# Altium PCB PCB_v4.PcbDoc (part 3 of 7)
Units mm, origin at the board's own origin, x right, y up, seen from the top; angles counter-clockwise.
Board outline 171.45 x 152.4 mm, 6 copper layers (Top Layer, Int1 (GND), Int2 (Sign), Int3 (Sign), Int4 (PWR), Bottom Layer), stack 1.551 mm thick; 408 components, 505 nets, 2356 pads, 897 vias.
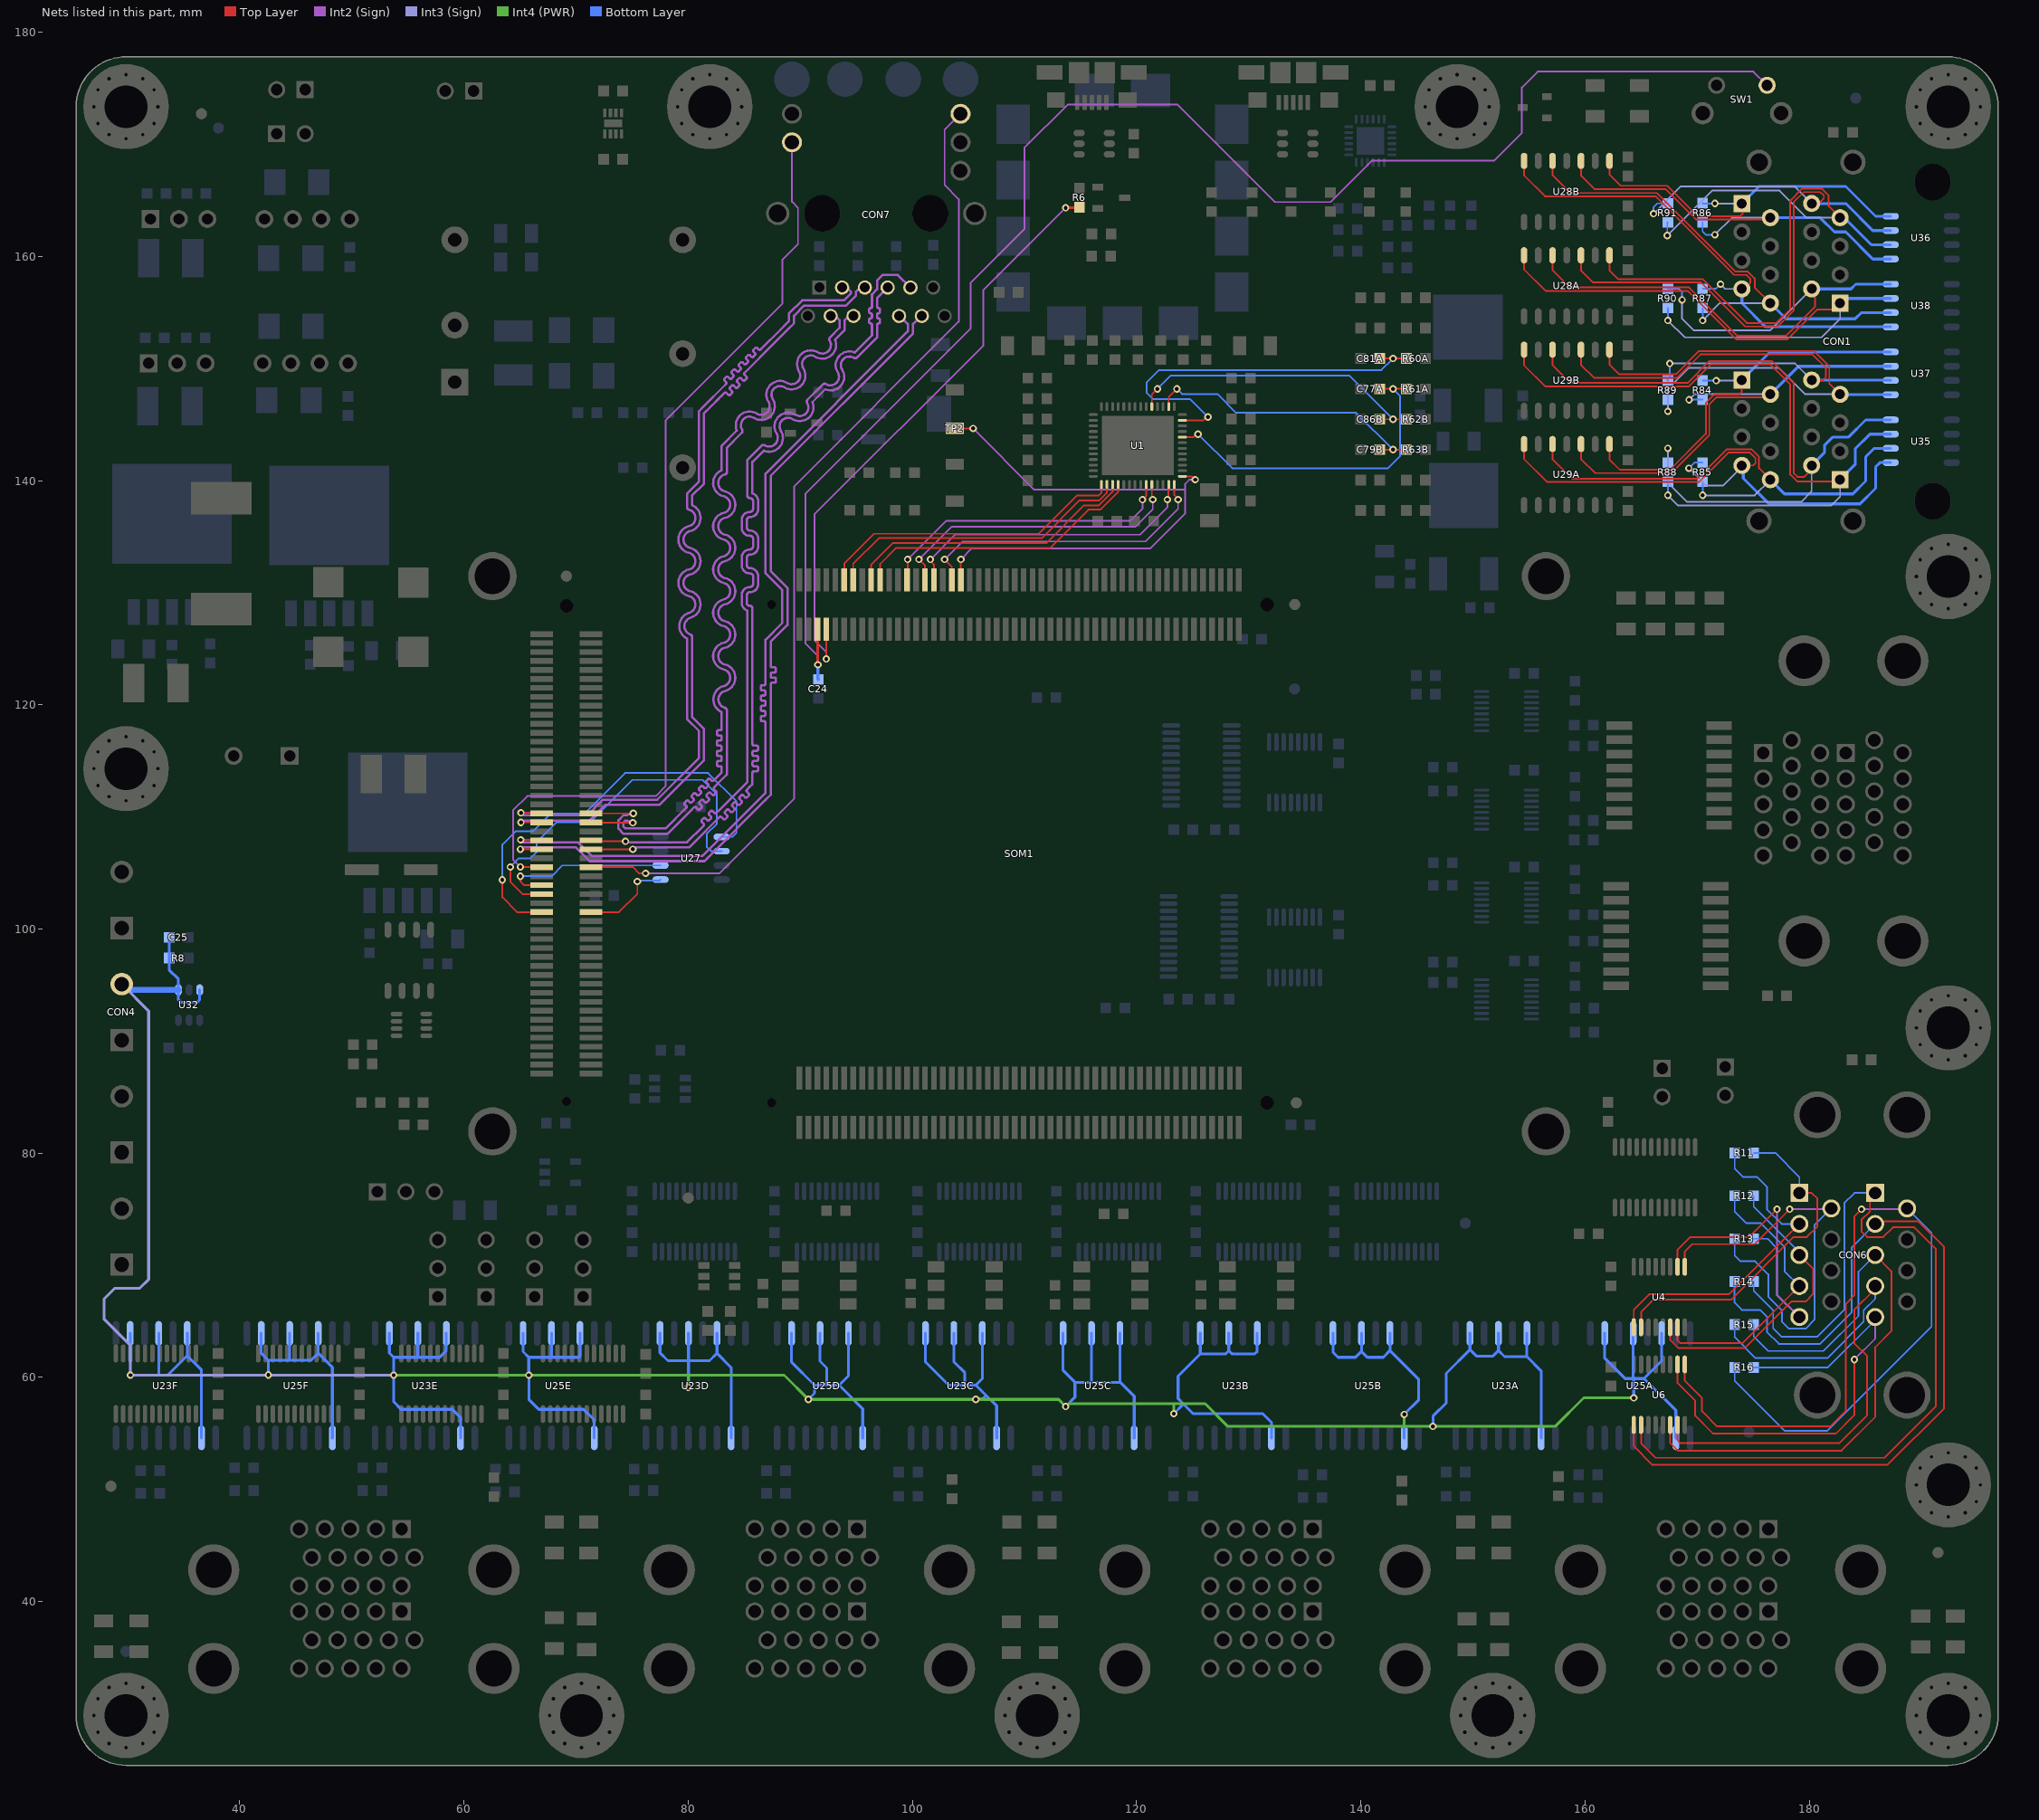
[diagram p7: the nets of this part, all layers, seen from the top]

## Via types
v1: diameter 0.66, hole 0.356, Top Layer to Bottom Layer, tented both sides, 808 vias
v2: diameter 1.016, hole 0.508, Top Layer to Bottom Layer, tented both sides, 72 vias
v3: diameter 0.66, hole 0.343, Top Layer to Bottom Layer, tented both sides, 7 vias
v4: diameter 1.524, hole 0.508, Top Layer to Bottom Layer, tented both sides, 7 vias
v5: diameter 1.524, hole 0.762, Top Layer to Bottom Layer, tented both sides, 2 vias
v6: diameter 2.032, hole 1.016, Top Layer to Bottom Layer, tented both sides, 1 vias

## Nets (pads, with @x,y where several pads share a name; then routed paths per layer and width w, separated by ;. In a path a pad name is that pad's centre, name@x,y a point inside that pad or via, vN(x,y) a via of type N, cw(c..) or ccw(c..) an arc to the next point about the centre after c; other vN are vias at no path point) (continued)
ADC_IN5: C86B.1 R62B.1 U1.5 | length 27.3
  Top Layer w0.152: U1.5@121.355,146.583 U1.5@121.355,146.604 121.355,147.683 v1(121.855,148.183) ; C86B.1@141.676,145.471 v1(142.867,145.471) R62B.1@144.057,145.471
  Bottom Layer w0.152: v1(121.855,148.183) 123.025,149.352 138.986,149.352 v1(142.867,145.471)
ADC_IN6: C79B.1 R63B.1 U1.2 | length 25.8
  Top Layer w0.152: U1.2@122.855,146.583 122.855,147.449 v1(123.589,148.183) ; C79B.1@141.676,142.76 v1(142.867,142.76) R63B.1@144.057,142.76
  Bottom Layer w0.152: v1(123.589,148.183) 124.052,147.72 127.207,147.72 128.876,146.05 139.576,146.05 v1(142.867,142.76)
ADC_IN7: C81A.1 R60A.1 U1.51 | length 35
  Top Layer w0.152: U1.51@124.055,145.379 U1.51@124.08,145.379 125.951,145.379 126.241,145.669 v1(126.365,145.669) ; C81A.1@141.676,150.894 v1(142.867,150.894) R60A.1@144.057,150.894
  Bottom Layer w0.152: v1(126.365,145.669) 124.757,147.277 121.441,147.277 120.881,147.837 120.881,148.734 122.007,149.86 141.833,149.86 v1(142.867,150.894)
ADC_IN8: C77A.1 R61A.1 U1.48 | length 29.9
  Top Layer w0.152: U1.48@124.055,143.879 125.086,143.879 125.352,144.145 v1(125.476,144.145) ; C77A.1@141.676,148.183 v1(142.867,148.183) R61A.1@144.057,148.183
  Bottom Layer w0.152: v1(125.476,144.145) 128.524,141.097 142.409,141.097 143.501,142.189 143.501,147.548 v1(142.867,148.183)
ADC_SCK: SOM1.JX1-37 TP2.1 U1.41 | length 51.3
  Top Layer w0.152: TP2.1@103.772,144.65 v1(105.41,144.65) ; SOM1.JX1-37@104.318,131.146 v1(104.318,132.969) ; U1.41@124.055,140.379 U1.41@124.08,140.379 124.924,140.379 v1(125.222,140.081)
  Int2 (Sign) w0.152: v1(104.318,132.969) 105.309,133.96 121.231,133.96 124.333,137.061 124.333,139.192 ; v1(105.41,144.65) 110.868,139.192 124.333,139.192 ; v1(125.222,140.081) 125.216,140.075 124.689,140.075 124.333,139.719 124.333,139.192
ADC_SDO1: SOM1.JX1-11 U1.27 | length 27.8
  Top Layer w0.152: SOM1.JX1-11@93.918,131.146 93.918,132.6 96.573,135.255 111.262,135.255 114.69,138.683 116.633,138.683 116.855,138.906 U1.27@116.855,139.675
ADC_SDO2: SOM1.JX1-13 U1.28 | length 27.4
  Top Layer w0.152: SOM1.JX1-13@94.718,131.146 94.718,132.579 97.013,134.874 111.549,134.874 114.911,138.236 116.665,138.236 117.355,138.927 U1.28@117.355,139.654 U1.28@117.355,139.675
ADC_SDO3: SOM1.JX1-17 U1.29 | length 26.3
  Top Layer w0.152: SOM1.JX1-17@96.318,131.146 96.318,132.513 98.234,134.429 111.95,134.429 115.31,137.789 116.649,137.789 117.855,138.996 U1.29@117.855,139.675
ADC_SDO4: SOM1.JX1-19 U1.30 | length 26
  Top Layer w0.152: SOM1.JX1-19@97.118,131.146 97.118,132.574 98.53,133.985 112.267,133.985 115.696,137.414 116.761,137.414 118.355,139.008 U1.30@118.355,139.654 U1.30@118.355,139.675
ADC_SDO5: SOM1.JX1-25 U1.35 | length 27
  Top Layer w0.152: SOM1.JX1-25@99.518,131.146 99.568,131.196 v1(99.568,132.969) ; v1(120.523,138.3) 120.855,138.632 U1.35@120.855,139.654 U1.35@120.855,139.675
  Int2 (Sign) w0.152: v1(99.568,132.969) 102.997,136.398 119.423,136.398 120.523,137.498 v1(120.523,138.3)
ADC_SDO6: SOM1.JX1-29 U1.36 | length 27
  Top Layer w0.152: v1(100.584,132.969) 101.118,132.435 SOM1.JX1-29@101.118,131.146 ; U1.36@121.355,139.675 U1.36@121.355,139.654 121.355,138.383 v1(121.435,138.303)
  Int2 (Sign) w0.152: v1(100.584,132.969) 103.505,135.89 119.888,135.89 121.435,137.437 v1(121.435,138.303)
ADC_SDO7: SOM1.JX1-31 U1.39 | length 27.1
  Top Layer w0.152: v1(101.6,132.969) 101.6,132.845 101.918,132.527 SOM1.JX1-31@101.918,131.146 ; v1(122.745,138.303) 122.832,138.39 122.832,139.651 U1.39@122.855,139.675
  Int2 (Sign) w0.152: v1(101.6,132.969) 103.81,135.179 120.32,135.179 122.745,137.605 v1(122.745,138.303)
ADC_SDO8: SOM1.JX1-35 U1.40 | length 27.1
  Top Layer w0.152: v1(102.87,132.969) 103.518,132.321 SOM1.JX1-35@103.518,131.146 ; U1.40@123.355,139.675 U1.40@123.355,139.654 123.355,138.715 123.698,138.372 v1(123.698,138.303)
  Int2 (Sign) w0.152: v1(102.87,132.969) 104.47,134.569 120.789,134.569 123.698,137.479 v1(123.698,138.303)
ANLG_N1: CON1.2A R84.1 U29A.10 U37.3 | length 43.7
  Top Layer w0.152: U29A.10@159.639,143.256 159.639,141.93 160.903,140.665 167.711,140.665 171.089,144.043 171.089,146.802 171.709,147.422 176.251,147.422 CON1.2A@176.53,147.701
  Int3 (Sign) w0.152: v1(169.288,147.214) 169.775,147.701 CON1.2A@176.53,147.701
  Bottom Layer w0.152: v1(169.288,147.214) R84.1@170.485,147.214
  Bottom Layer w0.254: CON1.2A@176.53,147.701 179.028,150.199 U37.3@187.267,150.199
ANLG_N2: CON1.8A R85.1 U29A.12 U35.2 | length 46.4
  Top Layer w0.152: U29A.12@157.099,143.256 157.099,141.93 158.856,140.172 170.036,140.172 172.663,142.799 174.846,142.799 175.514,142.131 175.514,141.097 CON1.8A@176.53,140.081
  Int3 (Sign) w0.152: v1(170.492,138.684) 175.133,138.684 CON1.8A@176.53,140.081
  Bottom Layer w0.152: R85.1@170.485,139.905 170.492,139.898 v1(170.492,138.684)
  Bottom Layer w0.254: CON1.8A@176.53,140.081 177.8,138.811 183.888,138.811 185.039,139.962 185.039,142.113 185.801,142.875 U35.2@187.267,142.875
ANLG_N3: CON1.2B R86.1 U28B.10 U36.1 | length 39.8
  Top Layer w0.152: U28B.10@159.639,168.518 159.639,167.247 160.893,165.993 167.204,165.993 169.911,163.286 176.367,163.286 CON1.2B@176.53,163.449
  Int3 (Sign) w0.152: v1(171.582,161.925) 173.106,163.449 CON1.2B@176.53,163.449
  Bottom Layer w0.152: R86.1@170.485,163.048 170.485,162.208 170.768,161.925 v1(171.582,161.925)
  Bottom Layer w0.254: CON1.2B@176.53,163.449 180.975,163.449 182.245,162.179 183.261,162.179 185.674,159.766 U36.1@187.267,159.766
ANLG_N4: CON1.8B R87.1 U28B.12 U38.2 | length 45.2
  Top Layer w0.152: U28B.12@157.099,168.518 157.099,167.259 158.7,165.658 166.423,165.658 173.433,158.648 174.523,158.648 175.133,158.038 175.133,157.226 CON1.8B@176.53,155.829
  Int3 (Sign) w0.152: v1(170.492,154.287) 172.034,155.829 CON1.8B@176.53,155.829
  Bottom Layer w0.152: R87.1@170.485,155.402 170.492,155.395 v1(170.492,154.287)
  Bottom Layer w0.254: CON1.8B@176.53,155.829 177.927,154.432 184.1,154.432 184.65,154.982 U38.2@187.267,154.982
ANLG_N5: CON1.2C R88.1 U29B.12 U35.4 | length 65.3
  Top Layer w0.152: U29B.12@157.099,151.677 157.099,150.322 158.705,148.716 169.132,148.716 171.089,150.673 176.656,150.673 178.613,148.716 178.613,140.665 178.943,140.335 179.568,140.335 180.213,140.98 CON1.2C@180.213,141.351
  Int3 (Sign) w0.152: v1(167.386,142.875) 167.386,139.827 169.113,138.1 179.276,138.1 180.213,139.037 CON1.2C@180.213,141.351
  Bottom Layer w0.152: R88.1@167.386,141.605 v1(167.386,142.875)
  Bottom Layer w0.254: CON1.2C@180.213,141.351 181.356,142.494 181.356,143.129 182.118,143.891 183.515,143.891 185.039,145.415 U35.4@187.267,145.415
ANLG_N6: CON1.8C R89.1 U29B.10 U37.2 | length 49.2
  Top Layer w0.152: U29B.10@159.639,151.677 159.639,150.326 160.791,149.174 168.219,149.174 170.302,151.257 180.289,151.257 181.483,150.063 181.483,149.225 181.229,148.971 CON1.8C@180.213,148.971
  Int3 (Sign) w0.152: v1(167.559,150.447) 178.737,150.447 CON1.8C@180.213,148.971
  Bottom Layer w0.152: R89.1@167.386,148.914 167.33,148.97 167.559,149.198 v1(167.559,150.447)
  Bottom Layer w0.254: CON1.8C@180.213,148.971 187.225,148.971 U37.2@187.267,148.929
ANLG_N7: CON1.2D R90.1 U28A.12 U38.4 | length 54.5
  Top Layer w0.152: U28A.12@157.099,160.097 157.099,158.8 158.673,157.226 169.288,157.226 173.606,152.908 177.927,152.908 180.505,155.486 180.505,156.435 180.213,156.728 CON1.2D@180.213,157.099
  Int3 (Sign) w0.152: v1(168.656,156.116) 168.656,154.432 169.672,153.416 176.53,153.416 CON1.2D@180.213,157.099
  Bottom Layer w0.152: R90.1@167.386,157.102 168.399,157.102 168.656,156.845 v1(168.656,156.116)
  Bottom Layer w0.254: CON1.2D@180.213,157.099 183.727,157.099 184.15,157.522 U38.4@187.267,157.522
ANLG_N8: CON1.8D R91.1 U28A.10 U36.3 | length 63.2
  Top Layer w0.152: U28A.10@159.639,160.097 159.639,158.75 160.714,157.675 170.366,157.675 174.295,153.746 177.196,153.746 178.613,155.163 178.613,164.847 179.505,165.738 180.994,165.738 181.299,165.434 181.299,165.152 181.017,164.869 180.363,164.869 CON1.8D@180.213,164.719
  Int3 (Sign) w0.152: v1(166.116,163.806) 168.553,166.243 178.689,166.243 CON1.8D@180.213,164.719
  Bottom Layer w0.152: v1(166.116,163.806) 166.116,164.406 166.438,164.728 R91.1@167.386,164.728
  Bottom Layer w0.254: CON1.8D@180.213,164.719 183.261,164.719 185.674,162.306 185.928,162.306 U36.3@187.267,162.306
ANLG_P1: CON1.1A R84.2 U29A.8 U37.4 | length 36.9
  Top Layer w0.152: U29A.8@162.179,143.256 162.179,141.891 163.1,140.97 167.585,140.97 170.784,144.169 170.784,146.928 171.582,147.726 173.781,147.726 173.99,147.936 CON1.1A@173.99,148.971
  Int3 (Sign) w0.152: v1(171.709,148.914) 173.933,148.914 CON1.1A@173.99,148.971
  Bottom Layer w0.152: R84.2@170.485,148.914 v1(171.709,148.914)
  Bottom Layer w0.254: CON1.1A@173.99,148.971 176.488,151.469 U37.4@187.267,151.469
ANLG_P2: CON1.7A R85.2 U29A.14 U35.1 | length 51.4
  Top Layer w0.152: U29A.14@154.559,143.256 154.559,141.928 156.619,139.868 170.163,139.868 172.789,142.494 174.72,142.494 175.209,142.005 175.209,141.554 175.006,141.351 CON1.7A@173.99,141.351
  Int3 (Sign) w0.152: v1(169.259,141.097) 170.783,139.573 172.343,139.573 173.99,141.22 CON1.7A@173.99,141.351
  Bottom Layer w0.152: v1(169.259,141.097) 169.767,141.605 R85.2@170.485,141.605
  Bottom Layer w0.254: CON1.7A@173.99,141.351 174.117,141.224 174.117,140.208 176.403,137.922 184.531,137.922 185.928,139.319 185.928,141.224 186.309,141.605 U35.1@187.267,141.605
ANLG_P3: CON1.1B R86.2 U28B.8 U36.4 | length 34.2
  Top Layer w0.152: U28B.8@162.179,168.518 162.179,167.291 163.172,166.298 167.33,166.298 170.038,163.59 173.842,163.59 174.058,163.806 174.058,164.651 CON1.1B@173.99,164.719
  Int3 (Sign) w0.152: v1(171.582,164.719) CON1.1B@173.99,164.719
  Bottom Layer w0.152: R86.2@170.485,164.748 170.514,164.719 v1(171.582,164.719)
  Bottom Layer w0.254: CON1.1B@173.99,164.719 175.514,166.243 183.261,166.243 185.928,163.576 U36.4@187.267,163.576
ANLG_P4: CON1.7B R87.2 U28B.14 U38.1 | length 46
  Top Layer w0.152: U28B.14@154.559,168.518 154.559,167.215 156.421,165.353 166.297,165.353 173.306,158.344 174.396,158.344 174.752,157.988 174.752,157.677 174.082,157.007 CON1.7B@173.99,157.099
  Int3 (Sign) w0.152: v1(172.085,157.522) 172.508,157.099 CON1.7B@173.99,157.099
  Bottom Layer w0.152: R87.2@170.485,157.102 171.665,157.102 v1(172.085,157.522)
  Bottom Layer w0.254: CON1.7B@173.99,157.099 173.99,155.829 176.107,153.712 U38.1@187.267,153.712
ANLG_P5: CON1.1C R88.2 U29B.14 U35.3 | length 66.1
  Top Layer w0.152: U29B.14@154.559,151.677 154.559,150.292 156.439,148.411 169.259,148.411 171.215,150.368 176.53,150.368 178.308,148.59 178.308,140.539 178.916,139.931 182.603,139.931 CON1.1C@182.753,140.081
  Int3 (Sign) w0.152: v1(167.386,138.684) 168.275,137.795 181.991,137.795 182.753,138.557 CON1.1C@182.753,140.081
  Bottom Layer w0.152: v1(167.386,138.684) R88.2@167.386,139.905
  Bottom Layer w0.254: CON1.1C@182.753,140.081 184.1,141.428 184.1,142.825 185.42,144.145 U35.3@187.267,144.145
ANLG_P6: CON1.7C R89.2 U29B.8 U37.1 | length 50.3
  Top Layer w0.152: U29B.8@162.179,151.677 162.179,150.368 163.068,149.479 168.093,149.479 170.176,151.562 180.415,151.562 181.788,150.189 181.788,148.666 CON1.7C@182.753,147.701
  Int3 (Sign) w0.152: v1(167.386,146.181) 167.386,148.161 169.288,150.063 177.266,150.063 179.628,147.701 CON1.7C@182.753,147.701
  Bottom Layer w0.152: v1(167.386,146.181) R89.2@167.386,147.214
  Bottom Layer w0.254: CON1.7C@182.753,147.701 182.795,147.659 U37.1@187.267,147.659
ANLG_P7: CON1.1D R90.2 U28A.14 U38.3 | length 57.2
  Top Layer w0.152: U28A.14@154.559,160.097 154.559,158.84 156.478,156.921 169.162,156.921 173.48,152.603 178.053,152.603 180.721,155.271 182.195,155.271 CON1.1D@182.753,155.829
  Int3 (Sign) w0.152: v1(167.386,154.287) 168.892,152.781 181.102,152.781 182.753,154.432 CON1.1D@182.753,155.829
  Bottom Layer w0.152: v1(167.386,154.287) R90.2@167.386,155.402
  Bottom Layer w0.254: CON1.1D@182.753,155.829 183.176,156.252 U38.3@187.267,156.252
ANLG_P8: CON1.7D R91.2 U28A.8 U36.2 | length 60.9
  Top Layer w0.152: U28A.8@162.179,160.097 162.179,158.75 162.949,157.98 170.492,157.98 174.421,154.051 177.07,154.051 178.308,155.289 178.308,164.973 179.378,166.043 181.12,166.043 181.299,165.865 181.737,165.427 181.737,164.465 CON1.7D@182.753,163.449
  Int3 (Sign) w0.152: v1(167.33,161.866) 171.326,165.862 177.36,165.862 179.773,163.449 CON1.7D@182.753,163.449
  Bottom Layer w0.152: v1(167.33,161.866) 167.33,162.972 R91.2@167.386,163.028
  Bottom Layer w0.254: CON1.7D@182.753,163.449 183.134,163.449 185.547,161.036 U36.2@187.267,161.036
CARRIER_SRST_N: C24.2 SOM1.JX1-6 SW1.1 | length 138.3
  Top Layer w0.254: SOM1.JX1-6@91.518,126.746 91.543,126.722 91.543,123.595 v1(91.567,123.571)
  Int2 (Sign) w0.152: v1(91.567,123.571) 91.567,124.358 90.449,125.476 90.449,138.828 105.181,153.56 105.181,157.636 109.982,162.437 109.982,169.672 113.847,173.537 123.643,173.537 132.334,164.846 137.283,164.846 140.966,168.529 151.892,168.529 154.367,171.004 154.367,175.068 155.781,176.482 175.018,176.482 SW1.1@176.24,175.26
  Bottom Layer w0.254: v1(91.567,123.571) 91.567,122.301 C24.2@91.606,122.262
DRIVE_EN: C25.2 CON4.2 R8.2 U23A.2 U23A.4 U23A.6 U23A.10 U23B.2 U23B.4 U23B.6 U23B.10 U23C.2 U23C.4 U23C.6 U23C.10 U23D.2 U23D.4 U23D.6 U23D.10 U23E.2 U23E.4 U23E.6 U23E.10 U23F.2 U23F.4 U23F.6 U23F.10 U25A.2 U25A.4 U25A.6 U25A.10 U25B.2 U25B.4 U25B.6 U25B.10 U25C.2 U25C.4 U25C.6 U25C.10 U25D.2 U25D.4 U25D.6 U25D.10 U25E.2 U25E.4 U25E.6 U25E.10 U25F.2 U25F.4 U25F.6 U25F.10 U32.1 U32.3 | length 478.7
  Int4 (PWR) w0.254: v1@53.708,60.21 v1(53.721,60.197) v1(65.784,60.197) 80.022,60.197 ; v1(80.01,59.112) 80.01,60.185 80.022,60.197 ; v1(123.317,56.769) 123.317,57.658 ; v1(143.867,56.696) 143.867,55.626 ; v1(164.348,58.175) 159.884,58.175 157.334,55.626 v1(146.431,55.626) 143.867,55.626 ; 80.022,60.197 88.56,60.197 v1(90.718,58.039) v1(105.652,58.039) 113.03,58.039 v1(113.665,57.404) 113.919,57.658 123.317,57.658 ; 123.317,57.658 126.111,57.658 128.143,55.626 143.867,55.626
  Int4 (PWR) w0.508: v1@42.491,60.197 42.518,60.223 v1(42.545,60.223) v1@42.558,60.21
  Int3 (Sign) w0.254: CON4.2@29.464,95.083 31.866,92.681 31.866,68.743 31.067,67.945 28.841,67.945 27.878,66.982 27.878,65.213 30.245,62.846 v1(30.245,60.197) 30.258,60.21 42.532,60.21 v1(42.545,60.223) ; v1@42.558,60.21 v1@53.708,60.21
  Bottom Layer w0.254: U23F.2@30.226,63.93 30.226,60.216 v1(30.245,60.197) 30.245,60.198 32.741,60.198 ; U23F.4@32.766,63.93 32.766,60.223 32.741,60.198 ; C25.2@33.694,99.251 R8.2@33.694,97.409 33.694,96.354 34.522,95.526 U32.1@34.522,94.568 34.522,93.668 34.718,93.472 36.214,93.472 36.41,93.668 36.41,94.556 U32.3@36.422,94.568 ; U23F.6@35.306,63.93 35.306,61.932 ; U23F.10@36.576,54.61 36.576,60.662 35.306,61.932 ; U25F.2@41.91,63.93 41.91,62.154 42.545,61.519 ; v1(42.545,60.223) 42.545,61.519 ; U25F.4@44.45,63.93 44.45,61.525 44.444,61.519 ; U25F.6@46.99,63.93 46.99,62.166 ; U25F.10@48.26,54.61 48.26,60.896 46.99,62.166 ; U23E.2@53.34,63.93 53.34,62.179 53.721,61.798 ; U23E.4@55.88,63.93 55.88,61.912 55.766,61.798 ; U23E.6@58.42,63.93 58.42,62.408 57.81,61.798 55.766,61.798 ; U23E.10@59.69,54.61 59.69,56.422 58.962,57.15 54.398,57.15 53.721,57.827 v1(53.721,60.197) 53.721,61.798 ; U25E.2@65.269,63.93 65.269,62.303 65.773,61.798 ; U25E.4@67.809,63.93 67.809,61.854 67.864,61.798 ; U25E.6@70.349,63.93 70.349,61.904 70.243,61.798 67.864,61.798 ; U25E.10@71.619,54.61 71.619,56.201 70.67,57.15 66.675,57.15 65.786,58.039 65.786,60.195 v1(65.784,60.197) 65.773,60.208 65.773,61.798 ; U23D.2@77.482,63.93 77.482,62.203 78.191,61.493 80.022,61.493 ; v1(80.01,59.112) 80.022,59.124 80.022,61.493 ; U23D.4@80.022,63.93 80.022,61.493 ; U23D.6@82.562,63.93 82.562,62.158 ; U23D.10@83.832,54.61 83.832,60.888 82.562,62.158 ; U25D.2@89.213,63.93 89.213,61.359 91.262,59.309 ; v1(90.718,58.039) 91.262,58.583 91.262,59.309 ; U25D.4@91.753,63.93 91.753,61.447 92.36,60.84 92.36,59.309 ; U25D.6@94.293,63.93 94.293,60.145 93.457,59.309 ; U25D.10@95.563,54.61 95.563,57.203 93.457,59.309 ; U23C.2@101.158,63.93 101.158,61.376 103.225,59.309 104.672,59.309 ; U23C.4@103.698,63.93 103.698,61.383 104.672,60.408 104.672,59.309 ; v1(105.652,58.039) 105.72,58.107 106.306,58.107 106.586,58.387 ; U23C.6@106.238,63.93 106.238,59.883 105.664,59.309 ; U23C.10@107.508,54.61 107.508,57.465 106.586,58.387 ; U25C.2@113.432,63.93 113.432,60.632 114.501,59.563 ; v1(113.665,57.404) 114.501,58.24 114.501,59.563 ; U25C.4@115.972,63.93 115.972,59.563 ; U25C.6@118.512,63.93 118.512,59.563 115.972,59.563 ; 118.545,59.563 119.782,58.326 U25C.10@119.782,54.61 ; v1(123.317,56.769) 124.147,57.599 124.147,57.658 ; U23B.2@125.676,63.93 125.676,62.093 ; U23B.4@128.216,63.93 128.216,62.375 ; U23B.6@130.756,63.93 130.756,62.315 130.544,62.103 128.488,62.103 128.216,62.375 ; U23B.10@132.026,54.61 132.026,56.002 131.259,56.769 125.036,56.769 124.147,57.658 ; U25B.2@137.517,63.93 137.517,62.254 137.973,61.798 139.529,61.798 140.057,62.326 ; U25B.4@140.057,63.93 140.057,62.326 ; U25B.6@142.597,63.93 142.597,62.388 ; U25B.10@143.867,54.61 v1(143.867,56.696) 145.161,57.991 145.161,59.824 142.597,62.388 ; v1(146.431,55.626) 146.431,56.538 147.613,57.72 147.613,60.364 149.733,62.484 ; U23A.2@149.733,63.93 149.733,62.484 ; U23A.4@152.273,63.93 152.273,62.394 ; U23A.6@154.813,63.93 154.813,61.849 ; U23A.10@156.083,54.61 156.083,60.579 154.813,61.849 ; U25A.2@161.752,63.93 161.752,61.714 163.565,59.9 164.348,59.9 ; U25A.4@164.292,63.93 164.292,60.021 164.348,59.964 164.348,59.9 ; v1(164.348,58.175) 164.348,59.9 ; U25A.6@166.832,63.93 166.832,61.473 165.259,59.9 ; U25A.10@168.102,54.61 168.102,57.058 165.259,59.9 ; 32.741,60.198 33.572,60.198 35.306,61.932 ; 42.545,61.519 44.444,61.519 ; 44.444,61.519 46.342,61.519 46.99,62.166 ; 53.721,61.798 55.766,61.798 ; 65.773,61.798 67.864,61.798 ; 80.022,61.493 81.897,61.493 82.562,62.158 ; 91.262,59.309 92.36,59.309 ; 92.36,59.309 93.457,59.309 ; 104.672,59.309 105.664,59.309 ; 105.664,59.309 106.586,58.387 ; 114.501,59.563 115.972,59.563 ; 124.147,57.658 123.698,58.107 123.698,60.115 125.676,62.093 ; 125.676,62.093 127.933,62.093 128.216,62.375 ; 140.057,62.326 140.584,61.798 142.007,61.798 142.597,62.388 ; 149.733,62.484 150.313,61.904 151.782,61.904 152.273,62.394 ; 152.273,62.394 152.818,61.849 154.813,61.849 ; 164.348,59.9 165.259,59.9
  Bottom Layer w0.508: CON4.2@29.464,95.083 29.979,94.568 U32.1@34.522,94.568
EEPROM_CS: SOM1.JX3-37 U27.1 | length 37.6
  Top Layer w0.152: v3(63.416,104.383) 63.416,102.827 64.735,101.508 SOM1.JX3-37@66.932,101.508
  Bottom Layer w0.152: v3(63.416,104.383) 63.416,107.538 64.587,108.708 66.144,108.708 67.726,110.289 70.733,110.289 74.363,113.919 81.77,113.919 84.305,111.383 84.305,108.581 83.937,108.213 U27.1@82.98,108.213
EEPROM_SCK: SOM1.JX3-43 U27.6 | length 15.4
  Top Layer w0.152: v3(65.024,104.708) 65.024,104.244 65.36,103.908 SOM1.JX3-43@66.932,103.908
  Bottom Layer w0.152: v3(65.024,104.708) 67.815,104.708 68.78,105.673 U27.6@77.53,105.673
EEPROM_SI: SOM1.JX3-38 U27.5 | length 8
  Top Layer w0.152: SOM1.JX3-38@71.332,101.508 73.822,101.508 75.46,103.146 v3(75.46,104.244)
  Bottom Layer w0.152: v3(75.46,104.244) 75.54,104.324 77.451,104.324 U27.5@77.53,104.403
EEPROM_SO: SOM1.JX3-41 U27.2 | length 33.8
  Top Layer w0.152: v3(64.127,105.537) 64.127,104.204 65.223,103.108 SOM1.JX3-41@66.932,103.108
  Bottom Layer w0.152: v3(64.127,105.537) 64.895,106.305 65.916,106.305 66.47,106.858 66.47,107.737 68.241,109.508 71.218,109.508 75.006,113.296 81.268,113.296 82.555,112.009 82.555,109.393 81.649,108.486 81.649,107.324 82.029,106.943 U27.2@82.98,106.943
ENC_1A: CON6.1T R11.2 U4.2 | length 30.9
  Top Layer w0.152: U4.2@164.998,64.467 164.998,65.845 166.082,66.929 173.022,66.929 178.61,72.517 179.786,72.517 180.722,73.453 180.722,75.945 180.207,76.46 CON6.1T@179.122,76.46
  Bottom Layer w0.152: R11.2@175.045,80.028 176.965,80.028 179.122,77.871 CON6.1T@179.122,76.46
ENC_1A\: CON6.2T R11.1 U4.1 | length 29.9
  Top Layer w0.152: U4.1@164.348,64.467 164.348,66.029 165.756,67.437 172.869,67.437 CON6.2T@179.122,73.69
  Bottom Layer w0.152: R11.1@173.345,80.028 173.345,78.623 174.097,77.871 175.367,77.871 176.225,77.013 176.225,75.002 177.538,73.69 CON6.2T@179.122,73.69
ENC_1B: CON6.3T R12.2 U4.6 | length 27.1
  Top Layer w0.152: U4.6@167.598,64.467 167.598,63.342 168.329,62.611 174.244,62.611 178.398,66.765 179.668,66.765 180.34,67.437 180.34,69.702 CON6.3T@179.122,70.92
  Bottom Layer w0.152: R12.2@175.045,76.2 175.045,75.229 179.122,71.152 CON6.3T@179.122,70.92
ENC_1B\: CON6.4T R12.1 U4.7 | length 25.4
  Top Layer w0.152: U4.7@168.248,64.467 168.248,63.322 168.518,63.052 174.024,63.052 CON6.4T@179.122,68.15
  Bottom Layer w0.152: R12.1@173.345,76.2 173.345,74.803 174.388,73.76 175.694,73.76 177.8,71.653 177.8,69.472 CON6.4T@179.122,68.15
ENC_1Z: CON6.5T R13.2 U4.10 | length 31.7
  Top Layer w0.152: U4.10@168.248,69.867 168.248,71.385 169.38,72.517 174.636,72.517 v1(177.122,75.002)
  Int2 (Sign) w0.152: v1(177.122,75.002) 177.122,67.38 CON6.5T@179.122,65.38
  Bottom Layer w0.152: R13.2@175.045,72.372 176.285,72.372 177.122,71.535 177.122,67.38 CON6.5T@179.122,65.38
ENC_1Z\: CON6.6T R13.1 U4.9 | length 40
  Top Layer w0.152: U4.9@168.898,69.867 168.898,71.235 169.545,71.882 175.133,71.882 v1(178.253,75.002)
  Int2 (Sign) w0.152: v1(178.253,75.002) 181.889,75.003 CON6.6T@181.962,75.075
  Bottom Layer w0.152: R13.1@173.345,72.372 173.345,70.876 173.863,70.358 175.181,70.358 176.352,69.187 176.352,67.208 177.562,65.998 177.562,64.965 178.176,64.351 179.667,64.351 180.467,65.151 180.467,73.58 CON6.6T@181.962,75.075
ENC_2A: CON6.1B R14.2 U6.2 | length 81.5
  Top Layer w0.152: U6.2@164.998,55.76 164.998,54.133 166.299,52.832 186.707,52.832 191.286,57.411 191.286,71.477 189.379,73.384 187.47,73.384 186.603,72.517 185.166,72.517 184.666,73.017 184.666,74.049 185.42,74.803 CON6.1B@185.42,75.998
  Top Layer w0.254: CON6.1B@185.42,75.998 CON6.1B@185.882,76.46
  Bottom Layer w0.152: R14.2@175.045,68.544 175.045,67.742 176.784,66.003 176.784,64.395 177.562,63.617 180.703,63.617 183.134,66.048 183.134,75.565 184.029,76.46 CON6.1B@185.882,76.46
ENC_2A\: CON6.2B R14.1 U6.1 | length 78.5
  Top Layer w0.152: U6.1@164.348,55.76 164.348,53.863 166.014,52.197 186.97,52.197 192.024,57.251 192.024,71.628 189.738,73.914 CON6.2B@186.106,73.914
  Top Layer w0.254: CON6.2B@185.882,73.69 CON6.2B@186.106,73.914
  Bottom Layer w0.152: R14.1@173.345,68.544 173.333,68.532 173.333,66.676 173.99,66.019 175.613,66.019 176.225,65.407 176.225,64.057 177.29,62.992 180.969,62.992 183.769,65.792 183.769,71.577 CON6.2B@185.882,73.69
ENC_2B: CON6.3B R15.2 U6.6 | length 55.4
  Top Layer w0.152: U6.6@167.598,55.76 167.598,54.133 168.264,53.467 182.88,53.467 185.882,56.469 185.882,62.692 187.325,64.135 187.325,69.477 CON6.3B@185.882,70.92
  Bottom Layer w0.152: R15.2@175.045,64.715 175.045,63.658 176.346,62.357 181.275,62.357 184.404,65.486 184.404,69.442 CON6.3B@185.882,70.92
ENC_2B\: CON6.4B R15.1 U6.7 | length 50.6
  Top Layer w0.152: U6.7@168.248,55.76 168.248,54.402 168.518,54.133 182.665,54.133 185.166,56.634 185.166,61.909 184.023,63.052 184.023,66.04 CON6.4B@185.882,67.899
  Top Layer w0.254: CON6.4B@185.882,67.899 CON6.4B@185.882,68.15
  Bottom Layer w0.152: R15.1@173.345,64.715 173.345,63.617 173.333,63.605 175.216,61.722 181.61,61.722 184.853,64.965 184.853,65.981 185.882,67.01 CON6.4B@185.882,68.15
ENC_2Z: CON6.5B R16.2 U6.10 | length 43.1
  Top Layer w0.152: U6.10@168.248,61.16 168.248,59.497 169.818,57.927 169.818,56.58 171.407,54.991 182.38,54.991 184.023,56.634 v1(184.023,61.595)
  Int2 (Sign) w0.152: v1(184.023,61.595) 185.882,63.454 CON6.5B@185.882,65.38
  Bottom Layer w0.152: R16.2@175.045,60.887 181.664,60.887 185.882,65.105 CON6.5B@185.882,65.38
ENC_2Z\: CON6.6B R16.1 U6.9 | length 77.3
  Top Layer w0.152: U6.9@168.898,61.16 168.898,59.711 170.434,58.175 170.434,56.98 171.788,55.626 181.864,55.626 183.261,57.023 183.261,66.548 184.023,67.31 184.023,74.359 v1(184.666,75.002)
  Int2 (Sign) w0.152: v1(184.666,75.002) 188.649,75.002 CON6.6B@188.722,75.075
  Bottom Layer w0.152: R16.1@173.345,60.887 173.345,59.7 177.8,55.245 181.61,55.245 190.905,64.54 190.905,72.892 CON6.6B@188.722,75.075
ETH_MD1_N: CON7.10 SOM1.JX3-53 | length 78.4
  Top Layer w0.178: v1(65.058,107.95) 66.89,107.95 SOM1.JX3-53@66.932,107.908
  Int2 (Sign) w0.203: v1(65.058,107.95) 65.092,107.95 65.305,107.737 70.168,107.737 71.394,106.511 81.25,106.511 86.893,112.155 86.893,116.323 86.893,118.405 ccw(c86.756,118.405) 86.756,118.542 86.618,118.542 cw(c86.618,118.679) 86.481,118.679 86.481,118.862 cw(c86.618,118.862) 86.618,118.999 86.756,118.999 ccw(c86.756,119.136) 86.893,119.136 86.893,119.319 ccw(c86.756,119.319) 86.756,119.456 86.618,119.456 cw(c86.618,119.593) 86.481,119.593 86.481,119.776 cw(c86.618,119.776) 86.618,119.913 86.756,119.913 ccw(c86.756,120.051) 86.893,120.051 86.893,120.233 ccw(c86.756,120.233) 86.756,120.371 86.618,120.371 cw(c86.618,120.508) 86.481,120.508 86.481,120.691 cw(c86.618,120.691) 86.618,120.828 86.756,120.828 ccw(c86.756,120.965) 86.893,120.965 86.893,121.148 ccw(c86.756,121.148) 86.756,121.285 86.618,121.285 cw(c86.618,121.422) 86.481,121.422 86.481,121.605 cw(c86.618,121.605) 86.618,121.742 86.756,121.742 ccw(c86.756,121.879) 86.893,121.879 86.893,122.199 86.893,122.428 86.893,124.905 86.893,125.806 88.392,127.305 88.392,130.236 86.893,131.734 86.893,140.614 99.593,153.314 99.593,153.975 98.882,154.686 CON7.10@98.806,154.686
ETH_MD1_P: CON7.11 SOM1.JX3-51 | length 78.3
  Top Layer w0.152: v1(65.024,107.108) SOM1.JX3-51@66.932,107.108
  Int2 (Sign) w0.203: v1(65.024,107.108) 65.134,107.108 65.305,107.28 69.979,107.28 71.204,106.054 81.439,106.054 81.731,106.346 86.879,111.495 87.351,111.966 87.351,117.668 87.351,121.834 cw(c87.488,121.834) 87.488,121.971 87.689,121.971 ccw(c87.689,122.108) 87.826,122.108 87.826,122.291 ccw(c87.689,122.291) 87.689,122.428 87.488,122.428 cw(c87.488,122.565) 87.351,122.565 87.351,122.748 cw(c87.488,122.748) 87.488,122.885 87.689,122.885 ccw(c87.689,123.022) 87.826,123.022 87.826,123.205 ccw(c87.689,123.205) 87.689,123.342 87.488,123.342 cw(c87.488,123.48) 87.351,123.48 87.351,123.571 87.351,125.617 88.849,127.115 88.849,130.425 87.351,131.924 87.351,140.425 100.051,153.125 100.051,153.975 100.762,154.686 CON7.11@100.838,154.686
ETH_MD2_N: CON7.5 SOM1.JX3-54 | length 78.4
  Top Layer w0.152: SOM1.JX3-54@71.332,107.908 71.417,107.823 v1(74.398,107.823)
  Int2 (Sign) w0.203: v1(74.398,107.823) 74.484,107.737 79.898,107.737 81.297,109.136 81.362,109.201 ccw(c81.265,109.298) 81.362,109.394 81.221,109.536 cw(c81.318,109.633) 81.221,109.73 81.35,109.859 cw(c81.447,109.762) 81.544,109.859 81.685,109.718 ccw(c81.782,109.815) 81.879,109.718 82.008,109.847 ccw(c81.911,109.944) 82.008,110.041 81.867,110.182 cw(c81.964,110.279) 81.867,110.376 81.996,110.506 cw(c82.093,110.409) 82.19,110.506 82.332,110.364 ccw(c82.429,110.461) 82.526,110.364 82.752,110.591 83.792,111.63 85.277,113.116 85.277,128.407 cw(c85.501,129.103) 84.769,129.103 84.769,129.774 cw(c85.501,129.774) 85.501,130.505 ; 85.501,131.724 cw(c85.501,132.456) 84.769,132.456 84.769,133.126 cw(c85.501,133.126) 85.501,133.858 ; 85.501,135.077 cw(c85.501,135.809) 84.769,135.809 84.769,136.479 cw(c85.501,136.479) 85.501,137.211 ; 85.511,130.505 ccw(c85.511,130.78) 85.785,130.78 85.785,131.45 ccw(c85.511,131.45) 85.511,131.724 ; 85.511,133.858 ccw(c85.511,134.132) 85.785,134.132 85.785,134.803 ccw(c85.511,134.803) 85.511,135.077 ; 85.511,137.211 ccw(c85.511,137.485) 85.785,137.485 85.785,138.156 ccw(c85.511,138.156) 85.511,138.43 cw(c85.506,138.659) 85.277,138.659 85.277,141.847 86.546,143.116 cw(c86.708,142.954) 86.828,143.149 ccw(c87.228,143.8) 87.991,143.8 ccw(c87.228,143.8) 87.878,144.2 cw(c88.918,144.839) 89.558,145.879 ccw(c89.958,146.53) 90.721,146.53 ccw(c89.958,146.53) 90.608,146.93 cw(c90.803,147.049) 90.641,147.211 92.006,148.576 cw(c92.168,148.414) 92.289,148.609 ; 92.288,148.609 ccw(c92.688,149.26) 92.289,148.609 ; CON7.5@99.82,157.226 98.703,158.343 97.332,158.343 96.848,157.859 96.848,157.061 96.391,156.604 96.391,156.07 96.391,155.842 96.391,155.501 cw(c96.274,155.501) 96.274,155.384 ccw(c96.274,155.247) 96.137,155.247 96.137,155.064 ccw(c96.274,155.064) 96.274,154.927 cw(c96.274,154.81) 96.391,154.81 96.391,154.587 cw(c96.274,154.587) 96.274,154.47 ccw(c96.274,154.333) 96.137,154.333 96.137,154.15 ccw(c96.274,154.15) 96.274,154.013 cw(c96.274,153.896) 96.391,153.896 96.391,153.556 96.391,153.275 96.391,152.961 94.854,151.424 ccw(c94.378,150.299) 93.338,149.66 cw(c92.688,149.26) 93.451,149.26 cw(c92.688,149.26) 92.289,148.609
ETH_MD2_P: CON7.4 SOM1.JX3-52 | length 78.8
  Top Layer w0.152: SOM1.JX3-52@71.332,107.108 v1(75.057,107.108)
  Int2 (Sign) w0.203: v1(75.057,107.108) 75.167,107.108 75.338,107.28 80.088,107.28 80.757,107.95 82.394,109.586 82.556,109.748 82.782,109.974 cw(c82.879,109.877) 82.976,109.974 83.13,109.819 ccw(c83.227,109.916) 83.324,109.819 83.454,109.949 ccw(c83.357,110.046) 83.454,110.143 83.299,110.297 cw(c83.396,110.394) 83.299,110.491 83.428,110.621 cw(c83.525,110.524) 83.622,110.621 83.777,110.466 ccw(c83.874,110.563) 83.971,110.466 84.1,110.595 ccw(c84.003,110.692) 84.1,110.789 83.946,110.944 cw(c84.043,111.041) 83.946,111.138 84.075,111.267 cw(c84.172,111.17) 84.269,111.267 84.424,111.113 ccw(c84.521,111.21) 84.618,111.113 84.747,111.242 ccw(c84.65,111.339) 84.747,111.436 84.592,111.59 ; 84.592,111.59 cw(c84.689,111.687) 84.592,111.784 84.722,111.914 cw(c84.819,111.817) 84.916,111.914 85.07,111.759 ccw(c85.167,111.856) 85.264,111.759 85.393,111.888 ccw(c85.297,111.985) 85.393,112.082 85.239,112.237 cw(c85.336,112.334) 85.239,112.431 85.465,112.657 85.734,112.926 85.734,113.155 85.734,113.612 85.734,113.932 cw(c85.871,113.932) 85.871,114.069 86.09,114.069 ccw(c86.09,114.207) 86.227,114.207 86.227,114.389 ccw(c86.09,114.389) 86.09,114.527 85.871,114.527 cw(c85.871,114.664) 85.734,114.664 85.734,114.847 cw(c85.871,114.847) 85.871,114.984 86.09,114.984 ccw(c86.09,115.121) 86.227,115.121 86.227,115.304 ccw(c86.09,115.304) 86.09,115.441 85.871,115.441 cw(c85.871,115.578) 85.734,115.578 85.734,115.761 cw(c85.871,115.761) 85.871,115.898 86.09,115.898 ccw(c86.09,116.035) 86.227,116.035 86.227,116.218 ccw(c86.09,116.218) 86.09,116.355 85.871,116.355 cw(c85.871,116.493) 85.734,116.493 85.734,118.622 85.734,126.733 85.734,128.6 ccw(c85.506,128.6) 85.501,128.829 cw(c85.501,129.103) 85.226,129.103 85.226,129.774 cw(c85.501,129.774) 85.501,130.048 ; 85.501,132.182 cw(c85.501,132.456) 85.226,132.456 85.226,133.126 cw(c85.501,133.126) 85.501,133.401 ; 85.501,135.534 cw(c85.501,135.809) 85.226,135.809 85.226,136.479 cw(c85.501,136.479) 85.501,136.754 ; 85.511,130.048 ccw(c85.511,130.78) 86.242,130.78 86.242,131.45 ccw(c85.511,131.45) 85.511,132.182 ; 85.511,133.401 ccw(c85.511,134.132) 86.242,134.132 86.242,134.803 ccw(c85.511,134.803) 85.511,135.534 ; 85.511,136.754 ccw(c85.511,137.485) 86.242,137.485 86.242,138.156 ccw(c85.511,138.156) 85.734,138.852 85.734,141.658 86.546,142.47 86.752,142.675 ccw(c87.228,143.8) 88.448,143.8 ccw(c87.228,143.8) 88.268,144.439 cw(c88.918,144.839) 89.318,145.49 ccw(c89.958,146.53) 91.178,146.53 ccw(c89.958,146.53) 91.082,147.005 92.212,148.135 ccw(c92.688,149.26) 93.908,149.26 ccw(c92.688,149.26) 93.728,149.899 cw(c94.378,150.299) 94.777,150.95 ccw(c94.898,151.144) 95.059,150.983 96.848,152.772 96.848,153.664 96.848,153.896 cw(c96.965,153.896) 96.965,154.013 ccw(c96.965,154.15) 97.102,154.15 97.102,154.333 ccw(c96.965,154.333) 96.965,154.47 cw(c96.965,154.587) 96.848,154.587 96.848,154.81 cw(c96.965,154.81) 96.965,154.927 ccw(c96.965,155.064) 97.102,155.064 97.102,155.247 ccw(c96.965,155.247) 96.965,155.384 cw(c96.965,155.501) 96.848,155.501 96.848,155.613 96.848,156.284 CON7.4@97.79,157.226
ETH_MD3_N: CON7.2 SOM1.JX3-59 | length 78.5
  Top Layer w0.152: v1(65.079,110.363) 66.877,110.363 SOM1.JX3-59@66.932,110.308
  Int2 (Sign) w0.203: v1(65.079,110.363) 65.305,110.137 70.995,110.137 72.39,111.531 77.237,111.531 80.956,115.251 80.956,117.662 79.883,118.735 79.883,125.907 cw(c80.463,127.021) 80.033,128.201 ; 80.059,128.208 ccw(c79.881,128.951) 80.645,128.951 ccw(c79.881,128.951) 80.059,129.694 cw(c80.342,130.882) 80.059,132.069 ccw(c79.881,132.812) 80.645,132.812 ccw(c79.881,132.812) 80.059,133.555 cw(c80.342,134.742) 80.059,135.93 ccw(c79.881,136.673) 80.645,136.673 ccw(c79.881,136.673) 80.059,137.416 cw(c80.112,137.638) 79.883,137.638 79.883,138.848 80.956,139.921 80.956,146.027 80.956,146.197 81.289,146.53 83.296,148.537 83.36,148.602 ccw(c83.263,148.699) 83.36,148.796 83.248,148.908 cw(c83.345,149.005) 83.248,149.102 83.377,149.231 cw(c83.474,149.134) 83.571,149.231 83.684,149.119 ccw(c83.781,149.216) 83.878,149.119 84.007,149.248 ccw(c83.91,149.345) 84.007,149.442 83.895,149.554 cw(c83.992,149.651) 83.895,149.748 84.024,149.878 cw(c84.121,149.781) 84.218,149.878 84.33,149.766 ccw(c84.427,149.863) 84.524,149.766 84.653,149.895 ccw(c84.556,149.992) 84.653,150.089 84.541,150.201 cw(c84.638,150.298) 84.541,150.395 84.671,150.524 cw(c84.768,150.427) 84.865,150.524 84.977,150.412 ccw(c85.074,150.509) 85.171,150.412 85.3,150.541 ccw(c85.203,150.638) 85.3,150.735 85.188,150.848 cw(c85.285,150.945) 85.188,151.042 85.317,151.171 cw(c85.414,151.074) 85.511,151.171 85.623,151.059 ccw(c85.72,151.156) 85.817,151.059 85.947,151.188 ccw(c85.85,151.285) 85.947,151.382 85.834,151.494 cw(c85.931,151.591) 85.834,151.688 85.964,151.817 cw(c86.061,151.72) 86.158,151.817 86.27,151.705 ccw(c86.367,151.802) 86.464,151.705 88.265,153.506 88.676,153.918 88.976,154.218 88.976,154.888 90.158,156.07 93.897,156.07 94.511,156.684 94.511,156.853 94.342,157.022 93.928,157.022 CON7.2@93.724,157.226
ETH_MD3_P: CON7.3 SOM1.JX3-57 | length 78.3
  Top Layer w0.152: v1(65.079,109.508) SOM1.JX3-57@66.932,109.508
  Int2 (Sign) w0.203: v1(65.079,109.508) 65.134,109.508 65.305,109.68 71.185,109.68 72.579,111.074 77.426,111.074 81.413,115.061 81.413,117.851 80.34,118.924 80.34,119.634 80.34,124.954 80.34,126.056 ccw(c80.112,126.056) 80.19,126.27 cw(c80.463,127.021) 80.179,127.767 ccw(c79.881,128.951) 81.102,128.951 ccw(c79.881,128.951) 80.165,130.139 cw(c80.342,130.882) 80.165,131.624 ccw(c79.881,132.812) 81.102,132.812 ccw(c79.881,132.812) 80.165,134 cw(c80.342,134.742) 80.165,135.485 ccw(c79.881,136.673) 81.102,136.673 ccw(c79.881,136.673) 80.34,137.804 80.34,138.659 81.413,139.732 81.413,146.008 81.962,146.557 82.124,146.718 82.447,147.042 82.511,147.105 82.672,147.267 82.995,147.59 83.222,147.817 cw(c83.319,147.72) 83.416,147.817 83.568,147.664 ccw(c83.665,147.761) 83.762,147.664 83.892,147.794 ccw(c83.795,147.891) 83.892,147.988 83.739,148.14 cw(c83.836,148.237) 83.739,148.334 83.868,148.463 cw(c83.965,148.366) 84.062,148.463 84.215,148.311 ccw(c84.312,148.408) 84.409,148.311 84.538,148.44 ccw(c84.441,148.537) 84.538,148.634 84.386,148.787 cw(c84.483,148.884) 84.386,148.981 84.515,149.11 cw(c84.612,149.013) 84.709,149.11 84.861,148.957 ccw(c84.958,149.054) 85.055,148.957 85.185,149.087 ccw(c85.088,149.184) 85.185,149.281 85.032,149.433 cw(c85.129,149.53) 85.032,149.627 87.689,152.284 89,153.594 89.433,154.028 89.433,154.699 90.348,155.613 94.087,155.613 94.969,156.495 94.969,156.853 95.138,157.022 95.552,157.022 CON7.3@95.756,157.226
ETH_MD4_N: CON7.9 SOM1.JX3-60 | length 78.4
  Top Layer w0.152: SOM1.JX3-60@71.332,110.308 v1(75.092,110.308)
  Int2 (Sign) w0.203: v1(75.092,110.308) 75.014,110.231 74.658,110.231 74.564,110.137 74.209,110.137 73.77,109.698 73.77,108.946 74.207,108.509 78.174,108.509 79.144,109.479 79.306,109.641 79.629,109.964 79.953,110.288 80.115,110.45 80.277,110.612 80.503,110.838 cw(c80.6,110.741) 80.697,110.838 80.85,110.685 ccw(c80.947,110.782) 81.044,110.685 81.173,110.814 ccw(c81.076,110.911) 81.173,111.008 81.02,111.161 cw(c81.117,111.258) 81.02,111.355 81.149,111.485 cw(c81.246,111.388) 81.343,111.485 81.497,111.332 ccw(c81.594,111.429) 81.691,111.332 81.82,111.461 ccw(c81.723,111.558) 81.82,111.655 81.667,111.808 cw(c81.764,111.905) 81.667,112.002 81.796,112.131 cw(c81.893,112.034) 81.99,112.131 82.143,111.978 ccw(c82.24,112.075) 82.337,111.978 82.467,112.107 ccw(c82.37,112.204) 82.467,112.301 82.313,112.455 cw(c82.41,112.552) 82.313,112.649 83.13,113.466 83.439,113.774 83.439,115.288 83.439,118.067 83.439,118.56 83.439,119.518 ccw(c83.21,119.518) 83.27,119.738 cw(c83.471,120.483) 83.27,121.227 ; 83.267,121.227 ccw(c82.98,122.413) 84.201,122.413 ccw(c82.98,122.413) 83.263,123.601 cw(c83.441,124.344) 83.263,125.087 ccw(c82.98,126.274) 84.201,126.274 ccw(c82.98,126.274) 83.263,127.462 cw(c83.441,128.205) 83.263,128.947 ccw(c82.98,130.135) 84.201,130.135 ccw(c82.98,130.135) 83.263,131.323 cw(c83.441,132.065) 83.263,132.808 ccw(c82.98,133.996) 84.201,133.996 ccw(c82.98,133.996) 83.263,135.183 cw(c83.441,135.926) 83.263,136.669 ccw(c82.98,137.857) 84.201,137.857 ccw(c82.98,137.857) 83.263,139.044 cw(c83.441,139.787) 83.263,140.53 ccw(c83.21,140.752) 83.439,140.752 83.439,142.918 84.779,144.258 ccw(c84.618,144.42) 84.846,144.42 ccw(c84.618,144.42) 84.812,144.54 cw(c85.463,144.94) 85.863,145.59 ccw(c86.502,146.63) 87.723,146.63 ccw(c86.502,146.63) 87.542,147.27 cw(c88.193,147.67) 88.593,148.32 ccw(c89.232,149.36) 90.453,149.36 ccw(c89.232,149.36) 90.272,150 cw(c90.923,150.4) 91.323,151.05 ccw(c91.962,152.09) 93.183,152.09 ccw(c91.962,152.09) 93.087,152.566 93.955,153.434 93.955,154.313 94.124,154.482 94.538,154.482 CON7.9@94.742,154.686
ETH_MD4_P: CON7.8 SOM1.JX3-58 | length 78.8
  Top Layer w0.152: SOM1.JX3-58@71.332,109.508 71.366,109.474 v1(75.057,109.474)
  Int2 (Sign) w0.203: v1(75.057,109.474) 75.092,109.508 75.014,109.586 74.658,109.586 74.564,109.68 74.398,109.68 74.227,109.508 74.227,109.136 74.397,108.966 77.984,108.966 79.814,110.795 ccw(c79.717,110.892) 79.814,110.989 79.702,111.101 cw(c79.799,111.198) 79.702,111.295 79.832,111.424 cw(c79.929,111.327) 80.026,111.424 80.137,111.313 ccw(c80.234,111.41) 80.331,111.313 80.46,111.442 ccw(c80.363,111.539) 80.46,111.636 80.349,111.747 cw(c80.446,111.844) 80.349,111.941 80.478,112.07 cw(c80.575,111.973) 80.672,112.07 80.783,111.959 ccw(c80.88,112.056) 80.977,111.959 81.107,112.089 ccw(c81.01,112.186) 81.107,112.282 80.995,112.394 cw(c81.092,112.491) 80.995,112.588 81.125,112.717 cw(c81.222,112.62) 81.319,112.717 81.43,112.606 ccw(c81.527,112.703) 81.624,112.606 81.753,112.735 ccw(c81.656,112.832) 81.753,112.929 81.642,113.04 cw(c81.739,113.137) 81.642,113.234 81.771,113.364 cw(c81.868,113.267) 81.965,113.364 82.077,113.252 ccw(c82.174,113.349) 82.271,113.252 82.497,113.479 82.82,113.802 82.982,113.964 82.982,114.069 82.982,114.389 ccw(c82.845,114.389) 82.845,114.527 82.687,114.527 cw(c82.687,114.664) 82.55,114.664 82.55,114.847 cw(c82.687,114.847) 82.687,114.984 82.845,114.984 ccw(c82.845,115.121) 82.982,115.121 82.982,115.304 ccw(c82.845,115.304) 82.845,115.441 82.687,115.441 cw(c82.687,115.578) 82.55,115.578 82.55,115.761 cw(c82.687,115.761) 82.687,115.898 82.845,115.898 ccw(c82.845,116.035) 82.982,116.035 82.982,116.218 ccw(c82.845,116.218) 82.845,116.355 82.687,116.355 cw(c82.687,116.493) 82.55,116.493 82.55,116.675 cw(c82.687,116.675) 82.687,116.813 82.845,116.813 ccw(c82.845,116.95) 82.982,116.95 82.982,117.133 ccw(c82.845,117.133) 82.845,117.27 82.687,117.27 cw(c82.687,117.407) 82.55,117.407 82.55,117.59 cw(c82.687,117.59) 82.687,117.727 82.845,117.727 ccw(c82.845,117.864) 82.982,117.864 82.982,118.184 82.982,118.413 82.982,118.924 82.982,119.356 cw(c83.471,120.483) 83.151,121.669 ; 83.157,121.67 ccw(c82.98,122.413) 83.744,122.413 ccw(c82.98,122.413) 83.157,123.156 cw(c83.441,124.344) 83.157,125.531 ccw(c82.98,126.274) 83.744,126.274 ccw(c82.98,126.274) 83.157,127.017 cw(c83.441,128.205) 83.157,129.392 ccw(c82.98,130.135) 83.744,130.135 ccw(c82.98,130.135) 83.157,130.878 cw(c83.441,132.065) 83.157,133.253 ccw(c82.98,133.996) 83.744,133.996 ccw(c82.98,133.996) 83.157,134.739 cw(c83.441,135.926) 83.157,137.114 ccw(c82.98,137.857) 83.744,137.857 ccw(c82.98,137.857) 83.157,138.599 cw(c83.441,139.787) 82.982,140.918 82.982,143.107 84.338,144.464 cw(c85.463,144.94) 86.102,145.98 ccw(c86.502,146.63) 87.266,146.63 ccw(c86.502,146.63) 87.153,147.03 cw(c88.193,147.67) 88.832,148.71 ccw(c89.232,149.36) 89.996,149.36 ccw(c89.232,149.36) 89.883,149.76 cw(c90.923,150.4) 91.562,151.44 ccw(c91.962,152.09) 92.726,152.09 ccw(c91.962,152.09) 92.613,152.49 cw(c92.808,152.61) 92.646,152.772 93.497,153.623 93.497,154.313 93.328,154.482 92.914,154.482 CON7.8@92.71,154.686
ETH_PHY_LED0: CON7.13 SOM1.JX3-47 | length 84.3
  Top Layer w0.152: v1(65.024,105.537) 66.903,105.537 SOM1.JX3-47@66.932,105.508
  Int2 (Sign) w0.152: v1(65.024,105.537) 64.389,106.172 64.389,110.631 64.403,110.631 65.634,111.862 77.1,111.862 77.975,112.737 77.975,145.353 88.392,155.77 88.392,159.693 89.789,161.09 89.789,164.338 89.256,164.871 CON7.13@89.256,170.18
ETH_PHY_LED1: CON7.17 SOM1.JX3-48 | length 89.4
  Top Layer w0.152: SOM1.JX3-48@71.332,105.508 71.361,105.537 75.057,105.537 75.632,104.962 v1(76.2,104.962)
  Int2 (Sign) w0.152: v1(76.2,104.962) 82.76,104.962 89.459,111.661 89.459,139.497 104.14,154.178 104.14,165.1 102.87,166.37 102.87,171.298 CON7.17@104.292,172.72
FPGA_DONE: R6.2 SOM1.JX1-8 | length 53.9
  Top Layer w0.152: v1(92.318,124.09) SOM1.JX1-8@92.318,126.746
  Top Layer w0.254: v1(113.665,164.338) 114.849,164.338 R6.2@114.894,164.383
  Int2 (Sign) w0.152: v1(92.318,124.09) 92.318,124.7 91.264,125.754 91.264,136.984 106.324,152.044 106.324,156.997 v1(113.665,164.338)